# Altium PCB BW1097.PcbDoc (part 5 of 7) (continued)
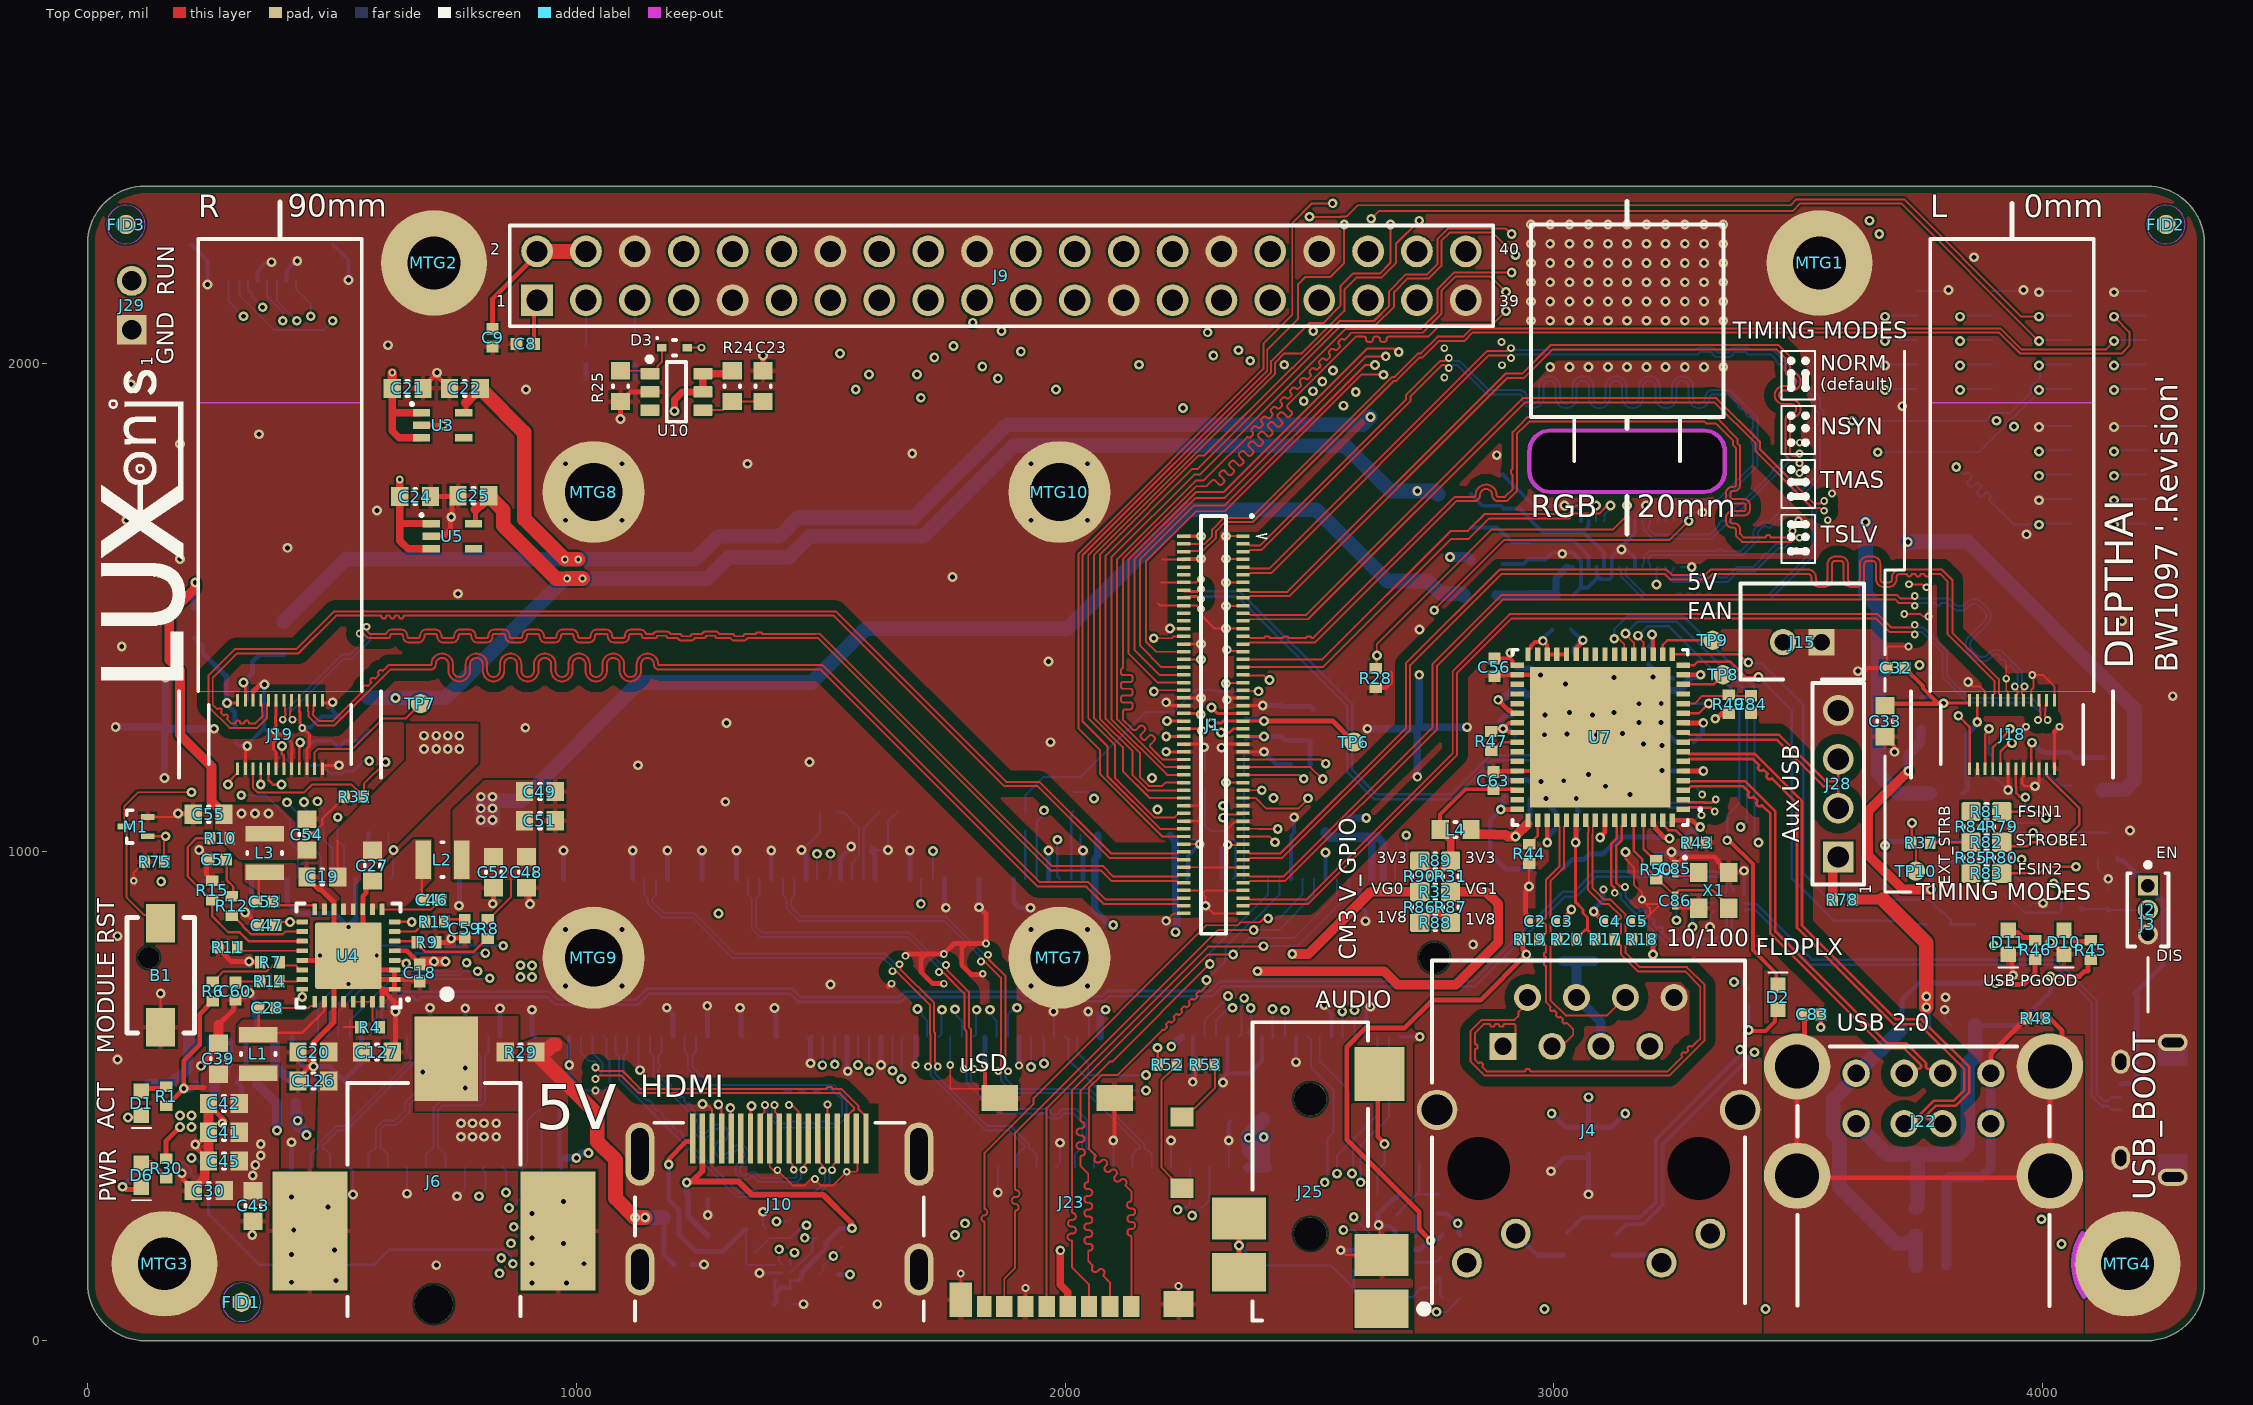
[diagram p0: Top Copper view]
## Nets (pads, with @x,y where several pads share a name; then routed paths per layer and width w, separated by ;. In a path a pad name is that pad's centre, name@x,y a point inside that pad or via, vN(x,y) a via of type N, cw(c..) or ccw(c..) an arc to the next point about the centre after c; other vN are vias at no path point) (continued)
PRTCTL5: TP9.1 U7.18 | length 125.5
  Top Copper w5: U7.18@3222.44,1404.16 3222.44,1423.37 3232,1432.93 TP9.1@3324.8,1432.93
ROSC: R11.2 U4.20 | length 135.8
  Top Copper w4: R11.2@306.29,804.69 313.25,797.72 U4.20@439.19,797.72
RST_1: D3.1 R25.2 U10.1 | length 128.9
  Top Copper w4: R25.2@1090.55,1984.25 1144.68,1984.25 U10.1@1150.59,1978.35 1156.18,1978.35 1165.99,1988.16 1165.99,1993.75 1174.8,2002.56 D3.1@1174.8,2031.5
RUN: J12.1 J24.177 J29.2 | length 2796.4
  Signal Layer 2 w4: v1(150.62,939.65) 283.43,806.83 750.72,806.83 752.72,808.83 808.24,808.83 811.13,811.72 827.29,811.72 830.98,808.03 v1(850.39,808.03)
  Signal Layer 3 w4: J29.2@90.55,2168.11 149.61,2109.06 149.61,2036.61 ; v1(150.62,939.65) 150.62,1007.17 141.06,1016.74 141.06,2028.06 149.61,2036.61 ; v1(318.9,2095.87) 259.65,2036.61 149.61,2036.61
  Bottom Copper w4: J12.1@288.77,2168.76 288.77,2125.99 v1(318.9,2095.87) ; J24.177@465.68,621.89 471.16,627.37 471.16,687.09 592.1,808.03 633.24,808.03 634.44,806.83 750.72,806.83 752.69,808.8 849.63,808.8 v1(850.39,808.03)
RX_N: C3.2 J4.6 R20.1 U7.53 | length 594.6
  Top Copper w4: C3.2@3004.72,858.27 C3.2@3002.03,860.96 ; U7.53@3025.59,1064.79 3025.59,1056.72 3020.25,1051.37 3020.25,967.37 2992.69,939.81 2992.69,865.31 2992.99,865.61 2996.04,862.57 3000.43,862.57 C3.2@3002.03,860.96 ; J4.6@3145.87,702.26 3108.96,665.35 3023.62,665.35 2993.1,695.87 2993.1,807.96 3005.54,820.4 3006.81,819.13 R20.1@3006.81,821.1 3006.81,823.07 2994.37,835.51 2993.11,834.24 2993.11,843.62 2992.69,844.04 2992.69,851.63 C3.2@3002.03,860.96
RX_P: C2.2 J4.3 R19.1 U7.52 | length 592.3
  Top Copper w4: C2.2@2968.71,860.05 2974.8,853.97 2980.34,853.97 2980.74,853.57 2981.35,853.57 2983.69,851.22 2983.69,840.31 2984.11,839.89 2984.11,834.24 2981.76,831.9 2979.22,831.9 2970.4,823.07 R19.1@2970.4,821.1 2970.4,819.13 2979.22,810.31 2981.76,810.31 2984.1,807.96 2984.1,803.46 2984.1,796.31 cw(c2982.25,796.31) 2982.25,794.46 ccw(c2982.25,791.31) 2979.1,791.31 2979.1,788.61 ccw(c2982.25,788.61) 2982.25,785.46 cw(c2982.25,783.61) 2984.1,783.61 2984.1,778.31 cw(c2982.25,778.31) 2982.25,776.46 ccw(c2982.25,773.31) 2979.1,773.31 2979.1,770.61 ccw(c2982.25,770.61) 2982.25,767.46 cw(c2982.25,765.61) 2984.1,765.61 2984.1,759.84 2984.1,692.15 2987.29,688.96 2992.34,683.91 cw(c2991.03,682.6) 2992.34,681.29 ccw(c2994.57,679.06) 2992.34,676.84 2994.25,674.93 ccw(c2996.48,677.15) 2998.7,674.93 cw(c3000.01,673.62) 3001.32,674.93 3005.07,671.18 cw(c3003.76,669.87) 3005.07,668.56 ccw(c3007.3,666.34) 3005.07,664.11 3006.98,662.2 ccw(c3009.21,664.43) 3011.43,662.2 cw(c3012.74,660.89) 3014.05,662.2 3017.8,658.45 cw(c3016.49,657.14) 3017.8,655.84 ccw(c3020.02,653.61) 3017.8,651.38 3019.71,649.47 ccw(c3021.93,651.7) 3024.16,649.47 cw(c3025.47,648.16) 3026.78,649.47 3031.83,644.42 3038.2,638.05 3039.37,636.88 3039.37,625.98 3015.65,602.26 J4.3@2995.87,602.26 ; C2.2@2970.18,859.25 2973.49,862.57 2980.94,862.57 2983.69,865.31 2983.69,943.53 3011.25,971.09 3011.25,1051.37 3005.91,1056.72 U7.52@3005.91,1064.79
SD_HST0_CD: J1.59 J8.7 | length 2727.6
  Top Copper w4: J1.59@2363.78,1188.98 2399.86,1188.98 2400.02,1188.83 2413.27,1188.83 2413.42,1188.98 2522.66,1188.98 2531.14,1180.49 v1(2533,1180.49)
  Signal Layer 2 w4: v1(2548.14,1984.84) 2570.5,1984.84 2574.6,1988.94 2615.77,1988.94 2679.95,1924.76 2794.64,1924.76 2799.02,1929.13 3602.36,1929.13 3724.41,1807.09 3751.97,1807.09 3800.02,1807.09 ccw(c3800.02,1811.99) 3804.92,1811.99 ; 3804.92,1811.66 cw(c3809.82,1811.66) 3809.82,1816.56 3814.02,1816.56 cw(c3814.02,1811.66) 3818.92,1811.66 3818.92,1807.09 ccw(c3822.61,1807.09) 3822.61,1803.4 3829.23,1803.4 ccw(c3829.23,1807.09) 3832.92,1807.09 3832.92,1811.66 cw(c3837.82,1811.66) 3837.82,1816.56 3842.02,1816.56 cw(c3842.02,1811.66) 3846.92,1811.66 3846.92,1807.09 3846.92,1802.52 ccw(c3851.82,1802.52) 3851.82,1797.62 3856.02,1797.62 ccw(c3856.02,1802.52) 3860.92,1802.52 3860.92,1807.09 3860.92,1811.66 cw(c3865.82,1811.66) 3865.82,1816.56 3870.02,1816.56 cw(c3870.02,1811.66) 3874.92,1811.66 3874.92,1807.09 3874.92,1802.52 ccw(c3879.82,1802.52) 3879.82,1797.62 3884.02,1797.62 ccw(c3884.02,1802.52) 3888.92,1802.52 3888.92,1807.09 3888.92,1811.66 cw(c3893.82,1811.66) 3893.82,1816.56 3898.02,1816.56 cw(c3898.02,1811.66) 3902.92,1811.66 3902.92,1807.09 3902.92,1802.52 ccw(c3907.82,1802.52) 3907.82,1797.62 3912.02,1797.62 ccw(c3912.02,1802.52) 3916.92,1802.52 3916.92,1807.09 3916.92,1811.66 cw(c3921.82,1811.66) 3921.82,1816.56 3926.02,1816.56 cw(c3926.02,1811.66) 3930.92,1811.66 3930.92,1807.09 3930.92,1802.52 ccw(c3935.82,1802.52) 3935.82,1797.62 3940.02,1797.62 ccw(c3940.02,1802.52) 3944.92,1802.52 3944.92,1807.09 3944.92,1811.99 cw(c3949.82,1811.99) 3949.82,1816.89 3954.02,1816.89 cw(c3954.02,1811.99) 3958.92,1811.99 ccw(c3963.82,1811.99) 3963.82,1807.09 3972.92,1807.09 3979.92,1807.09 v1(3992.13,1819.29) ; 3804.92,1811.74 3804.92,1811.91
  Signal Layer 3 w4: v1(2533,1180.49) 2533,1910.46 2548.14,1925.6 v1(2548.14,1984.84)
  Bottom Copper w4: v1(3992.13,1819.29) 3994.49,1821.65 J8.7@4057.09,1821.65
SD_HST0_CLK: J1.61 J8.1 | length 2729
  Top Copper w4: J1.61@2363.78,1173.23 2501.72,1173.23 2525.66,1149.29 v1(2526.88,1149.29)
  Signal Layer 2 w4: v1(2526.08,1962.02) 2558.99,1962.02 2577.91,1980.94 2612.46,1980.94 2680.01,1913.39 3601.37,1913.39 3727.35,1787.4 v1(3822.83,1787.4)
  Signal Layer 3 w4: v1(2526.08,1962.02) 2523.19,1959.13 2523.19,1935.87 2515.08,1927.75 2515.08,1161.09 v1(2526.88,1149.29)
  Bottom Copper w4: v1(3822.83,1787.4) 3834.65,1775.59 3836.13,1774.11 ccw(c3839.6,1777.57) 3843.06,1774.11 cw(c3846.53,1770.64) 3849.99,1774.11 3852.96,1771.14 cw(c3849.5,1767.67) 3852.96,1764.21 3849.5,1760.74 3846.9,1758.14 ccw(c3850.36,1754.68) 3846.9,1751.21 3849.87,1748.24 ccw(c3853.33,1751.71) 3856.8,1748.24 3859.39,1750.84 3861.99,1753.44 cw(c3865.46,1749.97) 3868.92,1753.44 3871.89,1750.47 cw(c3868.43,1747) 3871.89,1743.54 3869.29,1740.94 3866.7,1738.34 ccw(c3870.16,1734.88) 3866.7,1731.42 3869.67,1728.45 ccw(c3873.13,1731.91) 3876.6,1728.45 3879.19,1731.04 3881.79,1733.64 cw(c3885.26,1730.18) 3888.72,1733.64 3891.69,1730.67 cw(c3888.23,1727.21) 3891.69,1723.74 ; 3891.87,1723.92 3892.38,1724.43 ; 3892.56,1724.61 ccw(c3896.02,1721.14) 3892.56,1717.68 3933.07,1677.17 3940.95,1669.29 v1(3992.13,1669.29) 3994.49,1671.65 J8.1@4057.09,1671.65
SD_HST0_CMD: J1.63 J8.5 | length 2729
  Top Copper w4: J1.63@2363.78,1157.48 2478.31,1157.48 2486.18,1149.6 v1(2488.18,1149.6)
  Signal Layer 2 w4: v1(2488.18,1922.49) 2542.09,1922.49 2584.54,1964.94 2605.83,1964.94 2681.01,1889.76 3579.73,1889.76 3603.61,1865.89 3636.56,1865.89 3750.48,1751.97 3767.72,1751.97 3794.9,1751.97 ccw(c3794.9,1756.87) 3799.8,1756.87 ; 3799.8,1755.8 cw(c3804.7,1755.8) 3804.7,1760.7 3808.9,1760.7 cw(c3808.9,1755.8) 3813.8,1755.8 3813.8,1751.97 3813.8,1748.14 ccw(c3818.7,1748.14) 3818.7,1743.24 3822.9,1743.24 ccw(c3822.9,1748.14) 3827.8,1748.14 3827.8,1751.97 3827.8,1755.8 cw(c3832.7,1755.8) 3832.7,1760.7 3836.9,1760.7 cw(c3836.9,1755.8) 3841.8,1755.8 3841.8,1751.97 3841.8,1748.14 ccw(c3846.7,1748.14) 3846.7,1743.24 3850.9,1743.24 ccw(c3850.9,1748.14) 3855.8,1748.14 3855.8,1751.97 3855.8,1755.8 cw(c3860.7,1755.8) 3860.7,1760.7 3864.9,1760.7 cw(c3864.9,1755.8) 3869.8,1755.8 3869.8,1751.97 3869.8,1748.14 ccw(c3874.7,1748.14) 3874.7,1743.24 3878.9,1743.24 ccw(c3878.9,1748.14) 3883.8,1748.14 3883.8,1751.97 3883.8,1755.8 cw(c3888.7,1755.8) 3888.7,1760.7 3892.9,1760.7 cw(c3892.9,1755.8) 3897.8,1755.8 3897.8,1751.97 3897.8,1748.14 ccw(c3902.7,1748.14) 3902.7,1743.24 3906.9,1743.24 ccw(c3906.9,1748.14) 3911.8,1748.14 3911.8,1751.97 3911.8,1755.8 cw(c3916.7,1755.8) 3916.7,1760.7 3920.9,1760.7 cw(c3920.9,1755.8) 3925.8,1755.8 3925.8,1751.97 3925.8,1748.14 ccw(c3930.7,1748.14) 3930.7,1743.24 3934.9,1743.24 ccw(c3934.9,1748.14) 3939.8,1748.14 3939.8,1751.97 3939.8,1756.87 cw(c3944.7,1756.87) 3944.7,1761.77 3948.9,1761.77 cw(c3948.9,1756.87) 3953.8,1756.87 ccw(c3958.7,1756.87) 3958.7,1751.97 3967.8,1751.97 3974.8,1751.97 v1(3992.13,1769.29) ; 3799.8,1755.9 3799.8,1756.77
  Signal Layer 3 w4: v1(2488.18,1149.6) v1(2488.18,1922.49)
  Bottom Copper w4: v1(3992.13,1769.29) 3994.49,1771.65 J8.5@4057.09,1771.65
SD_HST0_D0: J1.40 J8.2 | length 2826.4
  Top Copper w4: J1.40@2242.52,1346.46 2188.98,1346.46 2129.92,1405.51 2129.92,1598.43 2267.72,1736.22 2324.54,1736.22 2618.11,2029.78 2671.17,2029.78 2678.14,2022.81 v1(2682.47,2022.81)
  Signal Layer 2 w4: v1(2682.47,2022.81) 2732.85,1972.44 2750.31,1972.44 2765.99,1956.76 2781.39,1956.76 2792.8,1968.17 2793.96,1968.17 2794.42,1968.63 2815.25,1968.63 2819.06,1972.44 3606.3,1972.44 3696.6,1882.14 3905.26,1882.14 v1(3905.51,1881.89)
  Signal Layer 3 w4: v1(3905.51,1881.89) 3905.51,1834.65 3929.13,1811.02 3929.13,1732.28 3976.13,1685.29 3998.75,1685.29 4014.75,1669.29 v1(4145.67,1669.29)
  Bottom Copper w4: v1(4145.67,1669.29) 4148.03,1671.65 J8.2@4210.63,1671.65
SD_HST0_D1: J1.38 J8.4 | length 2740
  Top Copper w4: J1.38@2242.52,1362.2 2192.91,1362.2 2141.73,1413.39 2141.73,1598.43 2267.59,1724.28 2326.65,1724.28 2616.15,2013.78 v1(2655.92,2013.78)
  Signal Layer 2 w4: v1(2655.92,2013.78) 2720.95,1948.76 2784.7,1948.76 2796.11,1960.17 2797.27,1960.17 2797.73,1960.63 3606.8,1960.63 3701.54,1865.89 3940.69,1865.89 3940.94,1866.13 v1(3940.94,1870.08)
  Signal Layer 3 w4: v1(3940.94,1870.08) 3940.94,1866.15 3960.63,1846.46 3960.63,1778.16 3998.63,1740.16 4015.75,1740.16 4017.85,1740.16 ccw(c4017.85,1745.06) 4022.75,1745.06 cw(c4027.65,1745.06) 4027.65,1749.96 4031.85,1749.96 cw(c4031.85,1745.06) 4036.75,1745.06 ccw(c4041.65,1745.06) 4041.65,1740.16 4062.99,1740.16 4083.86,1719.29 4090.86,1719.29 4104.86,1719.29 4114.76,1719.29 v1(4145.67,1719.29)
  Bottom Copper w4: v1(4145.67,1719.29) 4148.03,1721.65 J8.4@4210.63,1721.65
SD_HST0_D2: J1.36 J8.6 | length 2739.5
  Top Copper w4: J1.36@2242.52,1377.95 2196.85,1377.95 2153.54,1421.26 2153.54,1598.43 2263.78,1708.66 2326.77,1708.66 2614.17,1996.06 v1(2633.85,1996.06)
  Signal Layer 2 w4: v1(2633.85,1996.06) 2662.33,1996.06 2669.75,1988.64 2674.7,1983.69 2681.13,1977.26 cw(c2677.67,1973.8) 2681.13,1970.33 2680.99,1970.19 ccw(c2684.45,1966.72) 2680.99,1963.26 2683.96,1960.29 ccw(c2687.42,1963.75) 2690.89,1960.29 2691.03,1960.43 cw(c2694.5,1956.97) 2697.96,1960.43 2704.39,1954 2714.29,1944.1 2717.63,1940.76 2720.95,1940.76 2788.02,1940.76 2796.2,1948.94 3607.17,1948.94 3705.97,1850.14 3716.54,1850.14 3720.69,1850.14 ccw(c3720.69,1852.99) 3723.54,1852.99 cw(c3728.44,1852.99) 3728.44,1857.89 3732.64,1857.89 cw(c3732.64,1852.99) 3737.54,1852.99 3737.54,1850.14 ccw(c3741.1,1850.14) 3741.1,1846.58 3747.98,1846.58 ccw(c3747.98,1850.14) 3751.54,1850.14 3751.54,1852.4 cw(c3756.44,1852.4) 3756.44,1857.3 3760.64,1857.3 cw(c3760.64,1852.4) 3765.54,1852.4 ; 3765.54,1852.99 ccw(c3768.38,1852.99) 3768.38,1850.14 3771.65,1850.14 3782.15,1850.14 3798.61,1850.14 3810.15,1850.14 3826.61,1850.14 3838.15,1850.14 3854.61,1850.14 3866.15,1850.14 3882.61,1850.14 3894.15,1850.14 3910.61,1850.14 3922.15,1850.14 3938.61,1850.14 3950.15,1850.14 3966.61,1850.14 3978.15,1850.14 3994.61,1850.14 4006.15,1850.14 4022.61,1850.14 4034.15,1850.14 4050.61,1850.14 4062.15,1850.14 4078.61,1850.14 4090.15,1850.14 4153.79,1850.14 4173.23,1830.71 4173.23,1828.53 4173.23,1819.43 ccw(c4178.13,1819.43) 4178.13,1814.53 4178.33,1814.53 cw(c4178.33,1809.63) 4183.23,1809.63 4183.23,1805.43 cw(c4178.33,1805.43) 4178.33,1800.53 4178.13,1800.53 ccw(c4178.13,1795.63) 4173.23,1795.63 4173.23,1786.53 4173.23,1779.53 4162.99,1769.29 v1(4145.67,1769.29)
  Bottom Copper w4: v1(4145.67,1769.29) 4148.03,1771.65 J8.6@4210.63,1771.65
SD_HST0_D3: J1.32 J8.8 | length 2738.9
  Top Copper w4: J1.32@2242.52,1409.45 2186.03,1409.45 2165.1,1430.38 2165.1,1594.06 2267.89,1696.85 2326.77,1696.85 2606.07,1976.15 v1(2651.19,1976.15)
  Signal Layer 2 w4: v1(2651.19,1976.15) 2694.58,1932.76 2791.33,1932.76 2799.52,1940.94 3603.85,1940.94 3706.22,1838.58 3736.22,1838.58 3764.48,1838.58 cw(c3764.48,1833.68) 3769.38,1833.68 ; 3769.38,1834.06 ccw(c3774.28,1834.06) 3774.28,1829.16 3778.48,1829.16 ccw(c3778.48,1834.06) 3783.38,1834.06 3783.38,1838.58 cw(c3786.94,1838.58) 3786.94,1842.14 3793.82,1842.14 cw(c3793.82,1838.58) 3797.38,1838.58 3797.38,1834.06 ccw(c3802.28,1834.06) 3802.28,1829.16 3806.48,1829.16 ccw(c3806.48,1834.06) 3811.38,1834.06 3811.38,1838.58 cw(c3814.94,1838.58) 3814.94,1842.14 3821.82,1842.14 cw(c3821.82,1838.58) 3825.38,1838.58 3825.38,1834.06 ccw(c3830.28,1834.06) 3830.28,1829.16 3834.48,1829.16 ccw(c3834.48,1834.06) 3839.38,1834.06 3839.38,1838.58 cw(c3842.94,1838.58) 3842.94,1842.14 3849.82,1842.14 cw(c3849.82,1838.58) 3853.38,1838.58 3853.38,1834.06 ccw(c3858.28,1834.06) 3858.28,1829.16 3862.48,1829.16 ccw(c3862.48,1834.06) 3867.38,1834.06 3867.38,1838.58 cw(c3870.94,1838.58) 3870.94,1842.14 3877.82,1842.14 cw(c3877.82,1838.58) 3881.38,1838.58 3881.38,1834.06 ccw(c3886.28,1834.06) 3886.28,1829.16 3890.48,1829.16 ccw(c3890.48,1834.06) 3895.38,1834.06 3895.38,1838.58 cw(c3898.94,1838.58) 3898.94,1842.14 3905.82,1842.14 cw(c3905.82,1838.58) 3909.38,1838.58 3909.38,1834.06 ccw(c3914.28,1834.06) 3914.28,1829.16 3918.48,1829.16 ccw(c3918.48,1834.06) 3923.38,1834.06 3923.38,1838.58 cw(c3926.94,1838.58) 3926.94,1842.14 3933.82,1842.14 cw(c3933.82,1838.58) 3937.38,1838.58 3937.38,1834.06 ccw(c3942.28,1834.06) 3942.28,1829.16 3946.48,1829.16 ccw(c3946.48,1834.06) 3951.38,1834.06 3951.38,1838.58 cw(c3954.94,1838.58) 3954.94,1842.14 3961.82,1842.14 cw(c3961.82,1838.58) 3965.38,1838.58 3965.38,1834.06 ccw(c3970.28,1834.06) 3970.28,1829.16 3974.48,1829.16 ccw(c3974.48,1834.06) 3979.38,1834.06 3979.38,1838.58 cw(c3982.94,1838.58) 3982.94,1842.14 3989.82,1842.14 cw(c3989.82,1838.58) 3993.38,1838.58 ccw(c3997.37,1838.58) 3997.37,1834.59 4003.39,1834.59 ccw(c4003.39,1838.58) 4007.38,1838.58 cw(c4010.94,1838.58) 4010.94,1842.14 4017.82,1842.14 cw(c4017.82,1838.58) 4021.38,1838.58 4021.38,1834.06 ccw(c4026.28,1834.06) 4026.28,1829.16 4030.48,1829.16 ccw(c4030.48,1834.06) 4035.38,1834.06 4035.38,1838.58 cw(c4038.94,1838.58) 4038.94,1842.14 4045.82,1842.14 cw(c4045.82,1838.58) 4049.38,1838.58 4049.38,1834.06 ccw(c4054.28,1834.06) 4054.28,1829.16 4058.48,1829.16 ccw(c4058.48,1834.06) 4063.38,1834.06 4063.38,1838.58 cw(c4066.94,1838.58) 4066.94,1842.14 4073.82,1842.14 cw(c4073.82,1838.58) 4077.38,1838.58 4077.38,1834.06 ccw(c4082.28,1834.06) 4082.28,1829.16 4086.48,1829.16 ccw(c4086.48,1834.06) 4091.38,1834.06 4091.38,1838.58 cw(c4094.94,1838.58) 4094.94,1842.14 4101.82,1842.14 cw(c4101.82,1838.58) 4105.38,1838.58 4119.38,1838.58 4126.38,1838.58 v1(4145.67,1819.29)
  Bottom Copper w4: v1(4145.67,1819.29) 4148.03,1821.65 J8.8@4210.63,1821.65
SDX_CLK: J23.5 J24.10 | length 1237.6
  Top Copper w4: J23.5@1962.01,69.88 1962.01,475.75 2292.56,806.31 2405.06,806.31 2404.9,806.47 v1(2405.51,807.09)
  Bottom Copper w4: v1(2405.51,807.09) 2405.77,807.35 2475.35,807.35 2579.86,911.85 J24.10@2579.86,944.72
SDX_CMD: J23.3 J24.12 | length 1239
  Top Copper w4: 2014.96,261.19 cw(c2014.96,254.19) 2021.96,254.19 cw(c2014.96,254.19) 2014.96,247.19 2013.87,247.19 2012.78,247.19 ccw(c2012.78,240.19) 2005.78,240.19 ccw(c2012.78,240.19) 2012.78,233.19 2013.87,233.19 2014.96,233.19 cw(c2014.96,226.19) 2021.96,226.19 cw(c2014.96,226.19) 2014.96,219.19 2013.87,219.19 2011.87,219.19 ccw(c2011.87,212.19) 2004.87,212.19 ccw(c2011.87,212.19) 2011.87,205.19 cw(c2011.87,203.19) 2013.87,203.19 2013.87,198.19 2013.87,149.92 2048.62,115.17 J23.3@2048.62,69.88 ; 2015.22,261.19 2015.61,261.19 ; 2015.87,261.19 cw(c2015.87,263.19) 2013.87,263.19 2013.87,330.56 2013.87,511.2 2292.97,790.31 v1(2343.64,790.31)
  Bottom Copper w4: v1(2343.64,790.31) 2377.37,824.05 2468.43,824.05 2556.23,911.85 J24.12@2556.23,944.72
SDX_D0: J23.7 J24.16 | length 1239.7
  Top Copper w4: J23.7@1875.39,69.88 1875.39,126.73 1897.8,149.14 1897.8,177.17 1897.8,263.96 cw(c1899.8,263.96) 1899.8,265.96 ; 1898.02,265.96 ccw(c1898.02,272.96) 1905.02,272.96 ccw(c1898.02,272.96) 1898.02,279.96 1897.8,279.96 1897.59,279.96 cw(c1897.59,286.96) 1890.59,286.96 cw(c1897.59,286.96) 1897.59,293.96 1897.8,293.96 1899.8,293.96 ccw(c1899.8,300.96) 1906.8,300.96 ccw(c1899.8,300.96) 1899.8,307.96 cw(c1899.8,309.96) 1897.8,309.96 1897.8,314.96 1897.8,425.37 2312.48,840.05 v1(2385.64,840.05) ; 1898.7,265.96 1899.12,265.96
  Bottom Copper w4: v1(2385.64,840.05) 2437.19,840.05 2508.99,911.85 J24.16@2508.99,944.72
SDX_D1: J23.8 J24.18 | length 1237.5
  Top Copper w4: J23.8@1834.06,69.88 1834.65,69.88 1834.65,206.09 1834.65,243.6 cw(c1834.65,249.6) 1828.65,249.6 1828.65,250.6 cw(c1834.65,250.6) 1834.65,256.6 ccw(c1834.65,262.6) 1840.65,262.6 1840.65,263.6 ccw(c1834.65,263.6) 1834.65,269.6 1834.65,276.1 1834.65,383.5 1935.43,484.28 1935.43,496.41 2288.98,849.96 2352.61,849.96 2358.7,856.05 2398.59,856.05 2405.73,863.19 2414.84,863.19 v1(2415.22,863.57)
  Bottom Copper w4: v1(2415.22,863.57) 2437.09,863.57 2485.37,911.85 J24.18@2485.37,944.72
SDX_D2: J23.1 J24.22 | length 1241.7
  Top Copper w4: 2123.6,318.85 ccw(c2118.66,323.8) 2123.6,328.75 ccw(c2118.66,323.8) 2113.71,328.75 2112.97,328.02 2112.23,327.28 cw(c2107.28,332.23) 2102.33,327.28 cw(c2107.28,332.23) 2102.33,337.18 2103.07,337.91 2103.81,338.65 ccw(c2098.86,343.6) 2103.81,348.55 ccw(c2098.86,343.6) 2093.91,348.55 2093.17,347.81 2092.43,347.08 cw(c2087.48,352.03) 2082.53,347.08 cw(c2087.48,352.03) 2082.53,356.98 2083.27,357.71 2084.01,358.45 ccw(c2079.06,363.4) 2084.01,368.35 ccw(c2079.06,363.4) 2074.11,368.35 2073.37,367.61 2071.96,366.2 cw(c2067.01,371.15) 2062.06,366.2 cw(c2067.01,371.15) 2062.06,376.1 ccw(c2060.64,377.51) 2062.06,378.93 2053.57,387.41 2048.62,392.36 2048.62,517.13 2074.8,543.31 2106.46,543.31 2197.69,634.53 2199.46,636.31 ccw(c2201.58,638.43) 2203.71,636.31 2207.24,639.84 ccw(c2205.12,641.96) 2207.24,644.08 cw(c2209.36,646.2) 2207.24,648.33 2210.78,651.86 cw(c2212.9,649.74) 2215.02,651.86 ccw(c2217.14,653.98) 2219.26,651.86 2222.8,655.4 ccw(c2220.68,657.52) 2222.8,659.64 cw(c2224.92,661.76) 2222.8,663.88 2226.33,667.42 cw(c2228.45,665.3) 2230.58,667.42 ccw(c2232.7,669.54) 2234.82,667.42 2238.35,670.95 ccw(c2236.23,673.07) 2238.35,675.2 cw(c2240.47,677.32) 2238.35,679.44 2241.89,682.97 cw(c2244.01,680.85) 2246.13,682.97 ccw(c2248.25,685.1) 2250.37,682.97 2253.91,686.51 ccw(c2251.79,688.63) 2253.91,690.75 cw(c2256.03,692.87) 2253.91,695 2257.45,698.53 cw(c2259.57,696.41) 2261.69,698.53 ccw(c2263.81,700.65) 2265.93,698.53 2269.47,702.07 ccw(c2267.34,704.19) 2269.47,706.31 cw(c2271.59,708.43) 2269.47,710.55 2273,714.09 cw(c2275.12,711.97) 2277.24,714.09 2285.02,721.87 2288.91,725.75 v1(2288.91,737.88) ; 2123.75,318.99 2124.14,319.39 ; 2124.28,319.53 ccw(c2125.7,318.12) 2124.28,316.7 2132.77,308.22 2135.24,305.75 2135.24,298.75 2135.24,286.75 cw(c2133.24,286.75) 2133.24,284.75 ccw(c2133.24,277.75) 2126.24,277.75 ccw(c2133.24,277.75) 2133.24,270.75 2135.24,270.75 2136.28,270.75 cw(c2136.28,263.75) 2143.28,263.75 cw(c2136.28,263.75) 2136.28,256.75 2135.24,256.75 2134.19,256.75 ccw(c2134.19,249.75) 2127.19,249.75 ccw(c2134.19,249.75) 2134.19,242.75 2135.24,242.75 2136.28,242.75 cw(c2136.28,235.75) 2143.28,235.75 cw(c2136.28,235.75) 2136.28,228.75 2135.24,228.75 2134.19,228.75 ccw(c2134.19,221.75) 2127.19,221.75 ccw(c2134.19,221.75) 2134.19,214.75 ; 2133.24,214.75 cw(c2133.24,212.75) 2135.24,212.75 2135.24,173.23 J23.1@2135.24,69.88 J23.1@2135.74,70.38 ; 2133.44,214.75 2133.99,214.75
  Bottom Copper w4: v1(2288.91,737.88) 2327.64,776.6 2327.64,804.67 2379.02,856.05 2382.32,856.05 2438.12,911.85 J24.22@2438.12,944.72
SDX_D3: J23.2 J24.24 | length 1242.2
  Top Copper w4: 2032.72,448.25 cw(c2032.72,441.25) 2039.72,441.25 cw(c2032.72,441.25) 2032.72,434.25 2031.5,434.25 2030.27,434.25 ccw(c2030.27,427.25) 2023.27,427.25 ccw(c2030.27,427.25) 2030.27,420.25 2031.5,420.25 2032.72,420.25 cw(c2032.72,413.25) 2039.72,413.25 cw(c2032.72,413.25) 2032.72,406.25 2031.5,406.25 2030.27,406.25 ccw(c2030.27,399.25) 2023.27,399.25 ccw(c2030.27,399.25) 2030.27,392.25 2031.5,392.25 2033.5,392.25 cw(c2033.5,385.25) 2040.5,385.25 cw(c2033.5,385.25) 2033.5,378.25 ccw(c2033.5,376.25) 2031.5,376.25 2031.5,364.25 2031.5,357.25 2047.24,341.5 2047.24,338.19 2047.24,326.19 cw(c2045.24,326.19) 2045.24,324.19 ; 2032.88,448.25 2033.34,448.25 ; 2033.5,448.25 cw(c2033.5,450.25) 2031.5,450.25 2031.5,463.15 2031.5,511.31 2091.11,570.93 2096.22,570.93 v1(2296,770.7) ; 2045.4,324.19 2045.86,324.19 ; 2046.02,324.19 ccw(c2046.02,317.19) 2039.02,317.19 ccw(c2046.02,317.19) 2046.02,310.19 2047.24,310.19 2048.47,310.19 cw(c2048.47,303.19) 2055.47,303.19 cw(c2048.47,303.19) 2048.47,296.19 2047.24,296.19 2046.02,296.19 ccw(c2046.02,289.19) 2039.02,289.19 ccw(c2046.02,289.19) 2046.02,282.19 2047.24,282.19 2048.47,282.19 cw(c2048.47,275.19) 2055.47,275.19 cw(c2048.47,275.19) 2048.47,268.19 2047.24,268.19 2046.02,268.19 ccw(c2046.02,261.19) 2039.02,261.19 ccw(c2046.02,261.19) 2046.02,254.19 2047.24,254.19 2048.47,254.19 cw(c2048.47,247.19) 2055.47,247.19 cw(c2048.47,247.19) 2048.47,240.19 2047.24,240.19 2046.02,240.19 ccw(c2046.02,233.19) 2039.02,233.19 ccw(c2046.02,233.19) 2046.02,226.19 2047.24,226.19 2048.47,226.19 cw(c2048.47,219.19) 2055.47,219.19 cw(c2048.47,219.19) 2048.47,212.19 2047.24,212.19 2046.02,212.19 ccw(c2046.02,205.19) 2039.02,205.19 ccw(c2046.02,205.19) 2046.02,198.19 2047.24,198.19 2049.24,198.19 cw(c2049.24,191.19) 2056.24,191.19 cw(c2049.24,191.19) 2049.24,184.19 ccw(c2049.24,182.19) 2047.24,182.19 2047.24,170.19 2047.24,163.19 2047.38,163.05 2055.87,154.57 cw(c2054.45,153.15) 2055.87,151.74 ; 2055.98,151.85 2056.3,152.18 ; 2056.41,152.29 ccw(c2061.36,147.34) 2056.41,142.39 ccw(c2061.36,147.34) 2066.31,142.39 2067.18,143.25 2068.59,144.67 cw(c2073.54,139.72) 2078.49,144.67 cw(c2073.54,139.72) 2078.49,134.77 ccw(c2079.91,133.35) 2078.49,131.94 2086.98,123.45 2091.93,118.5 2091.93,112.21 J23.2@2091.93,69.88
  Bottom Copper w4: v1(2296,770.7) 2296,793.34 2414.5,911.85 J24.24@2414.5,944.72
SDX_VDD: C88.2 J24.4 J24.6 R58.1 | length 287.9
  Bottom Copper w15: J24.6@2627.1,944.72 2627.1,1029.13 ; 2639.01,1030.12 2650.72,1018.4 J24.4@2650.72,944.72
  Bottom Copper w20: C88.2@2532.61,1040.47 2532.61,1038.5 2540.33,1030.79 2542.3,1030.79 2542.97,1030.12 R58.1@2579.72,1030.12 2628.08,1030.12 ; 2627.1,1029.13 2628.08,1030.12 ; 2639.01,1030.12 2628.08,1030.12
SOFT_START: C47.1 U4.8 U4.17 U4.24 | length 523
  Top Copper w4: C47.1@384.45,854.21 387.02,856.77 v1(413.96,856.77) U4.17@439.19,856.77
  Top Copper w5: v1(439.19,703.2) U4.24@439.19,718.98 ; U4.8@628.16,856.77 v1(663.25,856.77)
  Signal Layer 2 w5: v1(413.96,856.77) 477.01,856.77 480.69,860.45 655.52,860.45 659.19,856.77 v1(663.25,856.77)
  Signal Layer 3 w5: v1(413.96,856.77) 439.19,831.55 v1(439.19,703.2)
SPI_SCK: J1.74 J7.1 | length 3062.7
  Top Copper w4: J1.74@2242.52,1078.74 2232.28,1078.74 2224.02,1070.47 2182.49,1070.47 2102.36,1150.6 2102.36,1218.6 2047.24,1273.71 2047.24,1607.29 2421.39,1981.44 2421.39,2003.93 2499.26,2081.81 2527.56,2081.81 2562.99,2117.23 2562.99,2157.48 2588.69,2183.18 2643.81,2183.18 2665.35,2204.72 v1(2665.35,2283.46)
  Signal Layer 2 w4: v1(2665.35,2283.46) 2692.91,2311.02 3401.57,2311.02 3417.07,2295.53 3581.43,2295.53 3585.62,2291.34 v1(3645.67,2291.34)
  Signal Layer 3 w4: v1(3645.67,2291.34) 3645.67,1976.38 v1(3677.17,1944.88)
  Bottom Copper w4: v1(3677.17,1944.88) 3679.53,1947.24 J7.1@3742.13,1947.24
SPI_SIO0: J1.62 J7.2 | length 3062.4
  Top Copper w4: J1.62@2242.52,1173.23 2204.3,1173.23 2106.3,1271.23 2106.3,1598.43 2267.72,1759.84 2283.46,1759.84 2299.21,1775.59 2372.15,1848.52 cw(c2372.84,1847.84) 2373.53,1848.52 ; 2373.22,1848.83 ccw(c2376.69,1852.3) 2380.15,1848.83 2383.12,1851.8 ccw(c2379.66,1855.27) 2383.12,1858.73 2382.74,1859.11 2382.32,1859.53 cw(c2385.78,1863) 2382.32,1866.46 2385.29,1869.43 cw(c2388.75,1865.97) 2392.22,1869.43 2392.64,1869.01 2393.02,1868.63 ccw(c2396.48,1872.09) 2399.95,1868.63 2402.92,1871.6 ccw(c2399.45,1875.06) 2402.92,1878.53 2402.54,1878.91 2402.12,1879.33 cw(c2405.58,1882.79) 2402.12,1886.26 2405.09,1889.23 cw(c2408.55,1885.76) 2412.02,1889.23 2412.43,1888.81 2412.82,1888.43 ccw(c2416.28,1891.89) 2419.75,1888.43 2422.72,1891.4 ccw(c2419.25,1894.86) 2422.72,1898.33 2422.33,1898.71 2421.92,1899.13 cw(c2425.38,1902.59) 2421.92,1906.06 2424.89,1909.03 cw(c2428.35,1905.56) 2431.82,1909.03 2432.23,1908.61 2432.62,1908.23 ccw(c2436.08,1911.69) 2439.55,1908.23 2442.52,1911.2 ccw(c2439.05,1914.66) 2442.52,1918.13 2442.13,1918.51 2441.72,1918.93 cw(c2445.18,1922.39) 2441.72,1925.86 2444.69,1928.83 cw(c2448.15,1925.36) 2451.62,1928.83 2452.03,1928.41 ccw(c2454.9,1931.28) 2457.77,1928.41 2461.93,1932.58 ccw(c2459.06,1935.44) 2461.93,1938.31 2461.52,1938.73 cw(c2464.98,1942.19) 2461.52,1945.66 2464.49,1948.63 cw(c2467.95,1945.16) 2471.42,1948.63 2471.83,1948.21 ccw(c2474.7,1951.08) 2477.57,1948.21 2481.73,1952.37 ccw(c2478.86,1955.24) 2481.73,1958.11 2481.31,1958.53 cw(c2484.78,1961.99) 2481.31,1965.46 2484.28,1968.43 cw(c2487.75,1964.96) 2491.21,1968.43 2491.63,1968.01 ccw(c2494.5,1970.88) 2497.36,1968.01 2501.53,1972.17 ccw(c2498.66,1975.04) 2501.53,1977.91 2501.11,1978.32 cw(c2504.58,1981.79) 2501.11,1985.25 2504.08,1988.22 cw(c2507.55,1984.76) 2511.01,1988.22 2511.43,1987.81 ccw(c2514.3,1990.67) 2517.16,1987.81 2521.33,1991.97 ccw(c2518.46,1994.84) 2521.33,1997.71 2520.91,1998.12 cw(c2524.38,2001.59) 2520.91,2005.05 2523.88,2008.02 cw(c2527.35,2004.56) 2530.81,2008.02 2531.23,2007.61 ccw(c2534.1,2010.47) 2536.96,2007.61 2541.13,2011.77 ccw(c2538.26,2014.64) 2541.13,2017.51 2540.71,2017.92 cw(c2544.18,2021.39) 2540.71,2024.85 2543.68,2027.82 cw(c2547.15,2024.36) 2550.61,2027.82 2551.03,2027.41 ccw(c2553.89,2030.27) 2556.76,2027.41 2560.93,2031.57 ccw(c2558.06,2034.44) 2560.93,2037.3 2560.21,2038.03 cw(c2563.67,2041.49) 2560.21,2044.96 2563.18,2047.93 cw(c2566.64,2044.46) 2570.1,2047.93 ccw(c2570.83,2048.65) 2571.55,2047.93 2580.73,2057.1 2585.68,2062.05 2731.35,2062.05 2769.7,2100.41 2769.7,2147.65 2799.21,2177.17 2870.08,2177.17 v1(2901.58,2145.67) ; 2373.33,1848.72 2373.42,1848.63
  Signal Layer 2 w4: v1(2901.58,2145.67) 3397.64,2145.67 3425.2,2118.11 3688.98,2118.11 3708.66,2098.43 3708.66,2066.93 3711.49,2064.1 ccw(c3714.95,2067.57) 3718.42,2064.1 3718.73,2064.41 cw(c3722.2,2060.95) 3725.66,2064.41 3728.63,2061.45 cw(c3725.16,2057.98) 3728.63,2054.52 3724.85,2050.74 3714.18,2040.06 ccw(c3717.64,2036.6) 3714.18,2033.13 3717.15,2030.16 ccw(c3720.61,2033.63) 3724.07,2030.16 3734.75,2040.84 3738.53,2044.62 cw(c3741.99,2041.15) 3745.46,2044.62 3748.43,2041.65 cw(c3744.96,2038.18) 3748.43,2034.72 3744.65,2030.94 3733.97,2020.26 ccw(c3737.44,2016.8) 3733.97,2013.33 3736.94,2010.36 ccw(c3740.41,2013.83) 3743.87,2010.36 3754.55,2021.04 3758.33,2024.82 cw(c3761.79,2021.35) 3765.26,2024.82 3768.23,2021.85 cw(c3764.76,2018.38) 3768.23,2014.92 3764.45,2011.14 3753.77,2000.46 ccw(c3757.24,1997) 3753.77,1993.53 3756.74,1990.56 ccw(c3760.21,1994.03) 3763.67,1990.56 3774.35,2001.24 3778.13,2005.02 cw(c3781.59,2001.55) 3785.06,2005.02 3788.03,2002.05 cw(c3784.56,1998.58) 3788.03,1995.12 3784.25,1991.34 3773.57,1980.66 ccw(c3777.04,1977.2) 3773.57,1973.73 3776.54,1970.76 ccw(c3780.01,1974.23) 3783.47,1970.76 3794.15,1981.44 3800.43,1987.72 cw(c3803.9,1984.26) 3807.36,1987.72 3810.33,1984.75 cw(c3806.87,1981.29) 3810.33,1977.82 3804.05,1971.54 3793.37,1960.86 ccw(c3796.84,1957.4) 3793.37,1953.94 3796.34,1950.97 ccw(c3799.81,1954.43) 3803.27,1950.97 3810.48,1958.18 cw(c3813.95,1954.71) 3817.41,1958.18 3818.9,1956.69 v1(3830.71,1944.88)
  Bottom Copper w4: v1(3830.71,1944.88) 3833.07,1947.24 J7.2@3895.67,1947.24